# Altium PCB USB3-PCIEv21.PcbDoc (part 2 of 2)
Units mm, origin at the board's own origin, x right, y up, seen from the top; angles counter-clockwise.
Board outline 83.05 x 33 mm, 6 copper layers (Top Layer, Int Plane 1, Int Layer 1, Int Layer 2, Int Plane 2, Bottom Layer), stack 1.15 mm thick; 130 components, 93 nets, 474 pads, 279 vias.
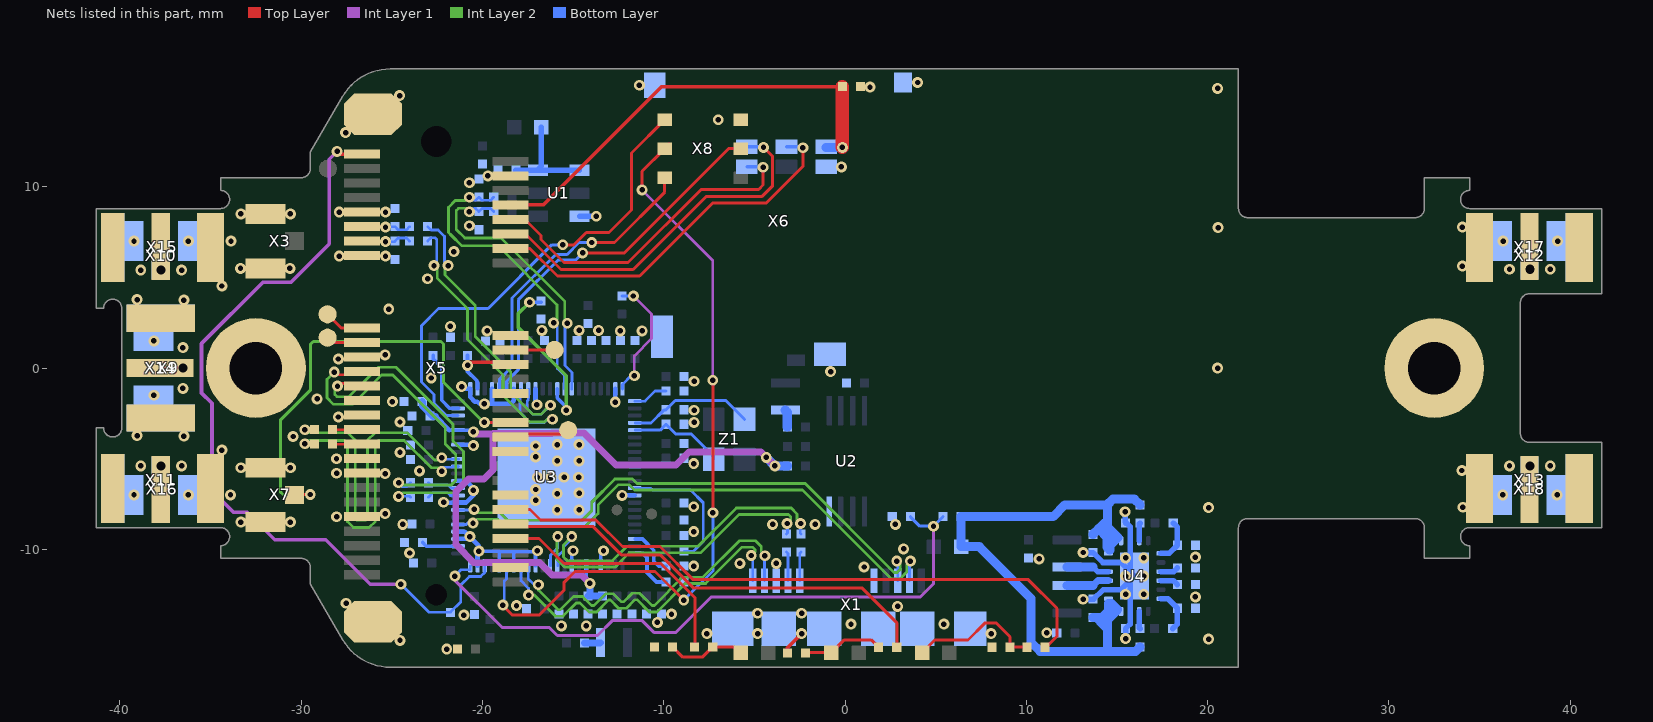
[diagram p6: the nets of this part, all layers, seen from the top]

## Via types
v1: diameter 0.6, hole 0.3, Top Layer to Bottom Layer, tented both sides, 240 vias
v2: diameter 0.601, hole 0.3, Top Layer to Bottom Layer, tented bottom, 16 vias
v3: diameter 0.6, hole 0.3, Top Layer to Bottom Layer, tented bottom, 16 vias
v4: diameter 0.8, hole 0.5, Top Layer to Bottom Layer, tented both sides, 7 vias

## Nets (pads, with @x,y where several pads share a name; then routed paths per layer and width w, separated by ;. In a path a pad name is that pad's centre, name@x,y a point inside that pad or via, vN(x,y) a via of type N, cw(c..) or ccw(c..) an arc to the next point about the centre after c; other vN are vias at no path point) (continued)
GND: C1.1 C4.1 C9.2 C10.1 C11.1 C12.1 C13.1 C14.2 C15.1 C16.2 C17.2 C18.2 C19.1 C20.1 C21.2 C22.2 C23.1 C24.2 C25.1 C26.1 C27.2 C28.2 C29.2 C30.1 C31.1 C32.1 C33.2 C34.1 C35.2 C36.2 C37.1 C38.1 C39.2 C40.1 C41.1 C42.1 C43.2 C44.1 C45.1 C46.1 C47.1 C48.1 C49.1 C50.1 C51.1 C52.2 pad.0 R2.2 R3.2 R7.1 R11.2 R12.2 R16.2 R17.2 R19.2 R20.2 R21.2 R23.2 R25.1 R34.2 R38.1 R39.2 R40.2 R41.2 U1.3 U2.4 U3.0 U3.3 U3.4 U3.8 U3.11 U3.16 U3.23 U3.26 U3.29 U3.32 U3.43 U3.58 U3.70 U3.74 U3.79 U3.82 U3.84 U3.87 U4.0 U4.2 U4.5 U4.8 U4.19 X1.0 X1.5 X1.8 X3.2 X5.0 X5.4 X5.9 X5.15 X5.18 X5.21 X5.26 X5.27 X5.29 X5.34 X5.35 X5.37 X5.40 X5.43 X5.50 X6.0 X6.5 X7.2 X8.6 X9.2 X10.2 X11.2 X12.2 X13.2 X14.2 X15.2 X16.2 X17.2 X18.2 | length 38
  Top Layer w0.203: R40.2@-3.175,-15.725 -3.175,-15.425 v1(-2.4,-14.65)
  Bottom Layer w0.203: v1(-20.201,-10.1) -19.1,-10.1 -19.075,-10.125 ; U3.84@-19.075,-10.9 -19.075,-10.125 ; U3.82@-18.275,-10.9 -18.275,-10.125 ; U3.79@-17.075,-10.9 -17.075,-10.225 v1@-16.975,-10.125 ; v1(-16.976,-10.075) v1@-16.976,-10.124 ; U3.74@-15.075,-10.9 -15.075,-10.15 v1(-15,-10.075) ; U3.70@-13.475,-10.9 -13.475,-10.225 v1(-13.325,-10.075) ; -19.075,-10.125 -18.275,-10.125 ; -18.275,-10.125 v1@-16.975,-10.125
  Bottom Layer w0.254: v1(-22.15,-7.4) -22.125,-7.425 U3.8@-21.35,-7.425 -21.342,-7.417 -20.894,-7.417 -20.5,-7.023 v1(-20.5,-6.75) -20.5,-6.627 -20.91,-6.217 -21.342,-6.217 U3.11@-21.35,-6.225 ; U3.3@-21.35,-9.425 -20.825,-9.425 v1(-20.7,-9.3) ; U3.4@-21.35,-9.025 -20.975,-9.025 v1(-20.7,-9.3) ; U3.16@-21.35,-4.225 -20.55,-4.225 v1(-20.5,-4.275) ; v1(-21.15,-1.025) -21.025,-1.15 U3.23@-20.675,-1.15 -20.675,-1.598 -20.425,-1.848 -20.286,-1.848 -20.159,-1.975 v1(-19.9,-1.975) -19.45,-1.975 ; U3.87@-20.275,-10.9 -20.275,-10.175 v1(-20.201,-10.1) -20.201,-9.799 v1(-20.7,-9.3) ; U3.26@-19.475,-1.15 -19.475,-1.95 -19.45,-1.975 ; U3.29@-18.275,-1.15 -18.283,-1.158 -18.283,-1.794 -18.464,-1.975 -19.45,-1.975 ; U3.32@-17.075,-1.15 -17.075,-1.951 v1(-17,-2.026) ; v1(-12.675,-1.875) U3.43@-12.675,-1.15 ; v1(-12.3,-7.025) U3.58@-11.6,-7.025
  Bottom Layer w0.3: U1.3@-14.65,8.38 -13.805,8.38 v1@-13.8,8.375
  Bottom Layer w0.305: v1(13.125,-12.75) C15.1@13.675,-12.75 13.712,-12.75 14.231,-12.23 14.231,-12.225 U4.2@14.525,-12.225 15.225,-12.225 U4.0@15.725,-11.725 ; v1(13.125,-10.175) C47.1@13.675,-10.175 14.225,-10.725 U4.5@14.525,-10.725 15.225,-10.725 U4.0@15.725,-11.225 ; v1(15.45,-7.925) 15.45,-8.477 C41.1@15.523,-8.55 ; v1(15.475,-14.925) C13.1@15.475,-14.375 15.723,-14.127 15.723,-13.427 U4.19@15.725,-13.425 U4.0@15.725,-11.725 ; C41.1@15.475,-8.55 C41.1@15.523,-8.55 ; C41.1@15.523,-8.55 15.723,-8.75 15.723,-9.523 U4.8@15.725,-9.525 U4.0@15.725,-11.225 ; U4.0@15.725,-11.725 U4.0@15.975,-11.475 U4.0@15.725,-11.225
  other v1: -21.975,-15.5 -24.55,-15.025 20.05,-14.95 -7.625,-14.65 -4.825,-14.65 8.05,-14.65 11.125,-14.6 -15.65,-14.225 -14.275,-14.221 0.325,-14.125 5.45,-14.125 -10.35,-14.025 -21.025,-13.625 -9.575,-13.575 -4.825,-13.525 -2.4,-13.525 2.9,-13.15 -18.126,-13.101 -27.525,-12.975 19.325,-12.625 1.05,-10.975 -8.35,-10.925 -5.8,-10.775 -3.8,-10.775 10.7,-10.525 19.325,-10.425 -24.025,-10.2 3.225,-9.975 -8.35,-9.025 -24.4,-8.623 -4,-8.625 -1.65,-8.625 2.775,-8.625 -33.325,-8.5 -30.6,-8.5 -28.05,-8.2 -25.375,-8.025 20.05,-7.7 34.075,-7.675 -8.35,-7.65 -33.9,-7 -25.375,-5.825 -28.05,-5.8 -23.475,-5.675 34.025,-5.65 -33.325,-5.5 -30.6,-5.5 -38.85,-5.4 -36.6,-5.4 36.65,-5.4 38.9,-5.4 -8.35,-5.275 -28.054,-5 -24.55,-4.65 -34.375,-4.525 -30.45,-3.775 -36.475,-3.75 -39.05,-3.725 -8.325,-3 -24.55,-2.975 -27.95,-2.7 -8.325,-2.325 -24.975,-1.848 -29.125,-1.7 -36.525,-1.125 -8.325,-0.725 -22.825,-0.55 -0.8,-0.2 20.55,0 -27.95,0.5 -25.375,0.725 -36.525,1.125 -19.75,2.05 -12.4,2.05 -11.2,2.05 -16.725,2.075 -14.675,2.075 -13.6,2.075 -21.775,2.3 -25.175,3.25 -36.475,3.75 -39.05,3.775 -34.375,4.525 -23.025,4.925 -38.85,5.4 -36.6,5.4 36.65,5.45 38.9,5.45 -33.35,5.5 -30.625,5.5 34.05,5.625 -27.9,6.175 -25.35,6.175 -21.575,6.425 -33.875,7 20.575,7.75 34.05,7.775 -20.725,7.85 -13.725,8.375 -33.325,8.5 -30.6,8.5 -27.9,8.6 -25.35,8.6 -20.725,10.225 -19.7,10.6 -0.2,11.1 -27.55,12.992 -7,13.7 -24.575,15.025 20.55,15.425 1.375,15.5 -11.35,15.6 4,15.75
  other v2: -15.875,-7.825 -14.675,-7.825 -17.075,-7.3 -15.875,-6.925 -14.675,-6.9 -17.075,-6.7 -16.975,-6.025 -16.225,-6.025 -15.5,-6.025 -14.7,-6.025 -15.875,-5.125 -14.675,-5.125 -17.075,-4.9 -17.075,-4.3 -15.875,-4.225 -14.675,-4.225
  other v3: 15.475,-12.475 16.475,-12.475 15.475,-11.475 16.475,-11.475 15.475,-10.475 16.475,-10.475 -39.225,-7 -36.225,-7 36.275,-7 39.275,-7 -38.125,-1.5 -38.125,1.5 -39.225,7 -36.225,7 36.3,7 39.3,7
GPIO0-TCK: U3.28 X8.5 | length 21.2
  Top Layer w0.165: v1(-14.475,6.35) -12.175,6.35 -6.425,12.1 X8.5@-5.75,12.1 X8.5@-5.475,12.1
  Bottom Layer w0.165: U3.28@-18.675,-1.15 -18.675,-0.738 -18.025,-0.088 -18.025,3.761 -15.834,5.952 -14.873,5.952 v1(-14.475,6.35)
GPIO1-TDO: U3.20 X8.1 | length 26.2
  Top Layer w0.165: v1(-15.575,6.8) -14.956,6.8 -14.273,7.483 -13.017,7.483 -11.785,8.715 -11.785,11.865 X8.1@-9.95,13.7 ; X8.1@-9.7,13.7 X8.1@-9.675,13.7
  Bottom Layer w0.165: U3.20@-21.35,-2.625 -22,-2.625 -22.677,-1.948 -22.677,-1.457 -23.371,-0.763 -23.371,2.338 -22.424,3.285 -19.69,3.285 -16.175,6.8 v1(-15.575,6.8)
GPIO2-TDI: U3.83 X8.2 | length 42.7
  Top Layer w0.165: v1@-18.87,-13.115 -18.87,-13.11 -18.346,-13.633 -16.88,-13.633 -15.517,-12.271 -15.517,-11.839 -14.896,-11.217 -10.483,-11.217 v1(-8.9,-12.8) ; v1(-11.2,9.825) -11.2,10.85 X8.2@-9.95,12.1 -9.7,12.35 -9.7,12.1 X8.2@-9.675,12.1 ; v1(-7.3,-0.675) -7.292,-0.683 v1(-7.292,-7.982)
  Int Layer 1 w0.152: v1(-11.2,9.825) -7.3,5.925 v1(-7.3,-0.675)
  Bottom Layer w0.152: v1(-18.876,-13.076) -18.8,-13 -18.8,-11.75 -18.675,-11.625 U3.83@-18.675,-10.9
  Bottom Layer w0.165: v1(-8.9,-12.8) -7.292,-11.192 v1(-7.292,-7.982)
GPIO3-TMS: U3.27 X8.3 | length 16.9
  Top Layer w0.165: v1(-13.975,6.925) -12.725,6.925 -9.95,9.7 X8.3@-9.95,10.5
  Bottom Layer w0.165: U3.27@-19.075,-1.15 -19.075,-0.638 -18.367,0.069 -18.367,3.864 -15.964,6.267 -15.329,6.267 -14.672,6.925 v1(-13.975,6.925)
GPIO4: TP4.1 X5.20 | length 2.4
  Top Layer w0.165: X5.20@-18.45,1 TP4.1@-16.025,1
GPIO6: TP5.1 X5.32 | length 3.3
  Top Layer w0.165: X5.32@-18.45,-3.8 -18.275,-3.625 -15.475,-3.625 TP5.1@-15.275,-3.425
HSD_N: U3.5 X1.2 | length 30.1
  Int Layer 2 w0.152: v1(-20.525,-8.55) -20.313,-8.338 -19.19,-8.338 -18.882,-8.646 -18.778,-8.75 -14.352,-8.75 -13.619,-8.017 -13.619,-7.547 -12.503,-6.431 -11.922,-6.431 -11.622,-6.731 -2.347,-6.731 2.553,-11.63 3.02,-11.63 3.403,-11.247 v1@3.403,-10.847
  Bottom Layer w0.152: U3.5@-21.35,-8.625 -20.899,-8.625 -20.824,-8.55 v1(-20.525,-8.55) ; X1.2@3.55,-11.725 3.55,-10.7 v1(3.6,-10.65)
HSD_P: U3.7 X1.3 | length 29.5
  Int Layer 2 w0.152: v1(-20.461,-7.8) -20.461,-7.864 -20.343,-7.982 -19.043,-7.982 -18.631,-8.394 -14.5,-8.394 -13.975,-7.87 -13.975,-7.4 -12.7,-6.125 -11.725,-6.125 -11.475,-6.375 -2.2,-6.375 2.7,-11.275 2.873,-11.275 3.047,-11.1 v1@3.047,-10.847
  Bottom Layer w0.152: U3.7@-21.35,-7.825 -20.55,-7.825 -20.525,-7.8 v1(-20.461,-7.8) ; v1(2.85,-10.65) 2.9,-10.7 X1.3@2.9,-11.725
LED_WLAN#: R9.2 X5.44 | length 24.9
  Top Layer w0.165: X5.44@-18.45,-8.6 -18.32,-8.73 -13.917,-8.73 -12.347,-10.3 -10.201,-10.3 -8.376,-12.125 0.925,-12.125 2.85,-14.05 R9.2@2.85,-15.4
LED_WPAN#: R10.2 X5.46 | length 14.2
  Top Layer w0.165: X5.46@-18.45,-9.4 -16.889,-9.4 -15.514,-10.775 -10.172,-10.775 -8.268,-12.679 -8.268,-15.343 R10.2@-8.3,-15.375
LED_WWAN#: R8.2 X5.42 | length 34.8
  Top Layer w0.165: X5.42@-18.45,-7.8 -17.378,-7.8 -16.801,-8.377 -13.747,-8.377 -12.278,-9.846 -10.21,-9.846 -8.406,-11.65 10.078,-11.65 11.683,-13.254 11.683,-14.796 11.078,-15.4 R8.2@11.025,-15.4
LEGACY: R19.1 U3.66 | length 2.8
  Bottom Layer w0.203: U3.66@-11.575,-10.225 -11.15,-10.225 -10.925,-10.45 -10.925,-11.275 -10.4,-11.8 R19.1@-9.875,-11.8
MHZ_IN: TP3.1 X5.19 | length 2
  Top Layer w0.165: TP3.1@-28.55,1.675 -28.275,1.4 X5.19@-26.65,1.4
MHZ_OUT: X5.30 X7.1 | length 25.6
  Top Layer w0.165: X7.1@-30.375,-7 -30.075,-7 -30.05,-6.975 v1(-29.5,-6.975) ; v1(-19.9,-3) X5.30@-18.45,-3
  Int Layer 2 w0.165: v1(-29.5,-6.975) -31,-6.975 -31.15,-6.825 -31.15,-2.875 -29.5,-1.225 -29.5,1.303 -29.333,1.47 -22.295,1.47 -22.15,1.325 -22.15,-0.778 -19.928,-3 v1(-19.9,-3)
NetC4_2: C4.2 L1.1 U1.1 U1.6 | length 6
  Bottom Layer w0.3: C4.2@-18.175,10.9 -18.155,10.92 U1.6@-16.95,10.92 ; U1.6@-16.975,10.925 -16.75,11.15 L1.1@-16.75,13.275 ; U1.6@-16.925,10.925 -16.92,10.92 U1.1@-14.65,10.92
NetC20_2: C20.2 U4.14 | length 1
  Bottom Layer w0.305: U4.14@17.425,-11.725 18.1,-11.725 C20.2@18.325,-11.95
NetC45_2: C45.2 U4.13 | length 1
  Bottom Layer w0.305: U4.13@17.425,-11.225 18.125,-11.225 C45.2@18.325,-11.025
NetL3_2: L3.2 U4.3 | length 2.4
  Bottom Layer w0.381: 13.675,-12 13.95,-11.725 U4.3@14.525,-11.725
  Bottom Layer w0.508: L3.2@12.25,-12 13.45,-12 13.675,-12
NetL4_1: L4.1 R30.1 | length 1
  Bottom Layer w0.508: L4.1@-3.3,-2.325 -3.187,-2.438 R30.1@-3.187,-3.246
NetL5_1: L5.1 R32.1 | length 0.9
  Bottom Layer w0.381: R32.1@-14.375,-15.175 -13.525,-15.175 L5.1@-13.5,-15.15
NetL6_1: L6.1 U4.4 | length 2.4
  Bottom Layer w0.305: 13.675,-10.975 13.925,-11.225 U4.4@14.525,-11.225
  Bottom Layer w0.508: L6.1@12.25,-10.975 13.675,-10.975
NetLED1_1: LED1.1 R8.1 R41.1 | length 7.3
  Top Layer w0.165: LED1.1@4.25,-15.7 4.95,-15 6.775,-15 7.7,-14.075 8.35,-14.075 9.1,-14.825 R41.1@9.1,-15.4 R8.1@10.025,-15.4
NetLED2_1: LED2.1 R9.1 R40.1 | length 4.5
  Top Layer w0.165: R40.1@-2.175,-15.725 -2.15,-15.7 LED2.1@-0.75,-15.7 -0.04,-14.99 1.44,-14.99 R9.1@1.85,-15.4
NetLED3_1: LED3.1 R10.1 R39.1 | length 4.4
  Top Layer w0.165: R39.1@-9.525,-15.375 -8.95,-15.95 -7.875,-15.95 R10.1@-7.3,-15.375 -6.15,-15.375 LED3.1@-5.787,-15.737
NetR33_1: R33.1 R34.1 U4.16 | length 2.3
  Bottom Layer w0.305: U4.16@17.425,-12.725 17.8,-12.725 R34.1@18.325,-13.25 18.325,-14.125 R33.1@18.075,-14.375
NetR35_1: R35.1 U4.18 | length 1
  Bottom Layer w0.305: U4.18@16.225,-13.425 16.225,-14.325 R35.1@16.275,-14.375
NetR36_2: R36.2 U4.9 | length 1
  Bottom Layer w0.305: U4.9@16.225,-9.525 16.225,-8.6 R36.2@16.275,-8.55
NetR37_2: R37.2 R38.2 U4.11 | length 2.4
  Bottom Layer w0.305: U4.11@17.425,-10.225 17.875,-10.225 R38.2@18.325,-9.775 18.325,-8.775 R37.2@18.1,-8.55
NetX9_1: X9.1 X14.1
  other v4: -36.525,0
NetX10_1: X10.1 X15.1
  other v4: -37.725,5.4
NetX11_1: X11.1 X16.1
  other v4: -37.725,-5.4
NetX12_1: X12.1 X17.1
  other v4: 37.775,5.45
NetX13_1: X13.1 X18.1
  other v4: 37.775,-5.4
PCI_R0_N: C5.1 X5.23 | length 19.1
  Top Layer w0.15: v1(-28.176,-0.225) -28.026,-0.375 -26.825,-0.375 X5.23@-26.65,-0.2
  Int Layer 2 w0.15: v1(-28.176,-0.225) -28.575,-0.624 -28.575,-1.638 -28.213,-2 -27.183,-2 -25.562,-0.379 -24.952,-0.379 -22.058,-3.273 -22.058,-4.191 -21.475,-4.773 -21.475,-6.2 -21.726,-6.451 -24.57,-6.451 -24.625,-6.396 v1(-24.625,-6.325)
  Bottom Layer w0.15: v1(-24.625,-6.325) -24.625,-6.333 -24.408,-6.55 -24.2,-6.55 C5.1@-23.975,-6.325
PCI_R0_P: C6.1 X5.25 | length 18.7
  Top Layer w0.15: v1(-28,-1) -28,-0.975 -27.875,-0.85 -27.575,-0.85 -27.425,-1 X5.25@-26.65,-1
  Int Layer 2 w0.15: v1(-28,-1) -28.151,-1 -28.151,-1.462 -28.037,-1.576 -27.359,-1.576 -25.738,0.046 -24.777,0.046 -21.633,-3.098 -21.633,-4.015 -21.051,-4.598 -21.051,-6.376 -21.55,-6.875 -24.425,-6.875 v1(-24.625,-7.075)
  Bottom Layer w0.15: v1(-24.625,-7.075) -24.025,-7.075 C6.1@-23.975,-7.125
PCI_RX0_N: C5.2 U3.10 | length 1.7
  Bottom Layer w0.15: C5.2@-22.975,-6.325 -22.85,-6.45 -21.9,-6.45 -21.725,-6.625 U3.10@-21.35,-6.625
PCI_RX0_P: C6.2 U3.9 | length 1.8
  Bottom Layer w0.15: C6.2@-22.975,-7.125 -22.725,-6.875 -21.926,-6.875 -21.776,-7.025 U3.9@-21.35,-7.025
PCI_T0_N: C7.1 X5.31 | length 1.6
  Top Layer w0.15: C7.1@-28.275,-3.4 X5.31@-26.65,-3.4
PCI_T0_P: C8.1 X5.33 | length 1.6
  Top Layer w0.15: C8.1@-28.275,-4.2 X5.33@-26.65,-4.2
PCI_TX0_N: C7.2 U3.14 | length 18.8
  Top Layer w0.15: v1(-29.8,-3.4) C7.2@-29.275,-3.4
  Int Layer 2 w0.15: v1(-29.8,-3.4) -29.625,-3.575 -27.425,-3.575 -27.026,-3.974 -27.026,-8.299 -26.949,-8.376 -26.433,-8.376 -26.339,-8.281 -26.339,-3.975 -25.94,-3.576 -24.148,-3.576 -22.649,-5.075 -22.375,-5.075 v1(-22.25,-4.95)
  Bottom Layer w0.15: v1(-22.25,-4.95) -22.175,-5.025 U3.14@-21.35,-5.025 U3.14@-21.325,-5.025
PCI_TX0_P: C8.2 U3.13 | length 19.5
  Top Layer w0.15: v1(-29.8,-4.175) C8.2@-29.275,-4.175 ; v1@-29.775,-4.2 C8.2@-29.275,-4.2
  Int Layer 2 w0.15: v1(-29.8,-4.175) -29.625,-4 -27.6,-4 -27.45,-4.15 -27.45,-8.475 -27.125,-8.8 -26.258,-8.8 -25.915,-8.457 -25.915,-4.15 -25.764,-4 -24.324,-4 -22.824,-5.5 -22.45,-5.5 v1(-22.25,-5.7)
  Bottom Layer w0.15: v1@-22.3,-5.65 -22.125,-5.475 -21.7,-5.475 -21.65,-5.425 U3.13@-21.35,-5.425 U3.13@-21.325,-5.425
PCIE_CLK_N: R2.1 R27.1 X5.11 | length 2.8
  Top Layer w0.15: X5.11@-26.625,7.8 -25.4,7.8 v1@-25.375,7.775
  Bottom Layer w0.15: v1@-25.375,7.775 -25.35,7.8 R2.1@-24.825,7.8 -24.65,7.625 -24.2,7.625 R27.1@-24.025,7.8
  other v1: -25.35,7.775
PCIE_CLK_P: R3.1 R26.1 X5.13 | length 2.8
  Top Layer w0.15: X5.13@-26.625,7 v1@-25.325,7
  Bottom Layer w0.15: v1@-25.375,6.975 v1(-25.35,6.975) -24.85,6.975 R3.1@-24.825,7 -24.65,7.175 -24.2,7.175 R26.1@-24.025,7
PERST#: R13.1 U3.24 X5.22 | length 4.9
  Top Layer w0.2: v1(-20.825,0.15) -20.65,0.325 -18.575,0.325 X5.22@-18.45,0.2 X5.22@-18.425,0.2
  Bottom Layer w0.2: v1(-20.825,0.15) v1@-20.825,-0.15 ; R13.1@-20.825,0.7 -20.825,-0.15 ; U3.24@-20.275,-1.15 -20.275,-0.774 -20.31,-0.739 -20.31,-0.705 -20.825,-0.19 -20.825,-0.15
PEX_CLK_IN_N: R5.1 R12.1 U3.37 | length 15.9
  Int Layer 2 w0.15: v1(-20.725,8.625) -20.912,8.812 -21.329,8.812 -21.45,8.692 -21.45,7.65 -20.975,7.175 -18.975,7.175 -15.462,3.662 -15.462,2.612 v1(-15.325,2.475)
  Bottom Layer w0.15: -20.475,8.804 -20.379,8.804 R12.1@-20.204,8.629 -20.029,8.804 -19.554,8.804 R5.1@-19.379,8.629 ; v1(-15.325,2.475) -15.45,2.35 -15.45,0.147 -15.063,-0.24 -15.063,-0.7 -15.075,-0.7 U3.37@-15.075,-1.15
PEX_CLK_IN_P: R4.1 R11.1 U3.36 | length 16.7
  Int Layer 2 w0.15: -21.725,7.324 -21.151,6.75 -19.15,6.75 -15.886,3.486 -15.886,2.682 v1(-16.075,2.494) ; -21.725,7.325 -21.874,7.474 -21.874,8.867 -21.505,9.237 -21.302,9.237 ; -21.301,9.237 -20.912,9.237 v1(-20.725,9.425)
  Bottom Layer w0.15: -20.475,9.254 -20.379,9.254 R11.1@-20.204,9.429 -20.029,9.254 -19.554,9.254 R4.1@-19.379,9.429 ; v1(-16.075,2.494) -15.874,2.293 -15.874,-0.029 -15.487,-0.416 -15.487,-0.7 -15.475,-0.7 U3.36@-15.475,-1.15
PEX_CLK_OUT_N: R27.2 U3.31 | length 17
  Int Layer 2 w0.15: v1(-21.9,5.65) -22.075,5.475 -22.075,5.136 -20.401,3.461 -20.401,1.751 -18.445,-0.205 -18.445,-1.33 -17.221,-2.554 -16.779,-2.554 -16.275,-2.05 v1(-16.25,-2.05)
  Bottom Layer w0.15: R27.2@-23.025,7.8 -22.837,7.612 -22.449,7.612 -22.101,7.264 -22.101,5.851 v1(-21.9,5.65) ; U3.31@-17.45,-1.175 -17.45,-1.633 -17.476,-1.658 -17.476,-1.759 -17.525,-1.809 -17.525,-2.25 -17.221,-2.554 -16.779,-2.554 -16.525,-2.3 -16.5,-2.3 v1(-16.25,-2.05)
PEX_CLK_OUT_P: R26.2 U3.30 | length 17.7
  Int Layer 2 w0.15: v1(-22.675,5.65) -22.5,5.475 -22.5,4.96 -20.825,3.285 -20.825,1.575 -18.869,-0.381 -18.869,-1.506 -17.397,-2.978 -16.578,-2.978 -16.425,-2.825 v1(-16.15,-2.825)
  Bottom Layer w0.15: R26.2@-23.025,7 -22.837,7.188 -22.625,7.188 -22.525,7.088 -22.525,5.8 v1(-22.675,5.65) ; U3.30@-17.9,-1.175 -17.9,-1.584 -17.931,-1.615 -17.931,-1.948 -17.938,-1.954 -17.938,-2.437 -17.371,-3.004 -16.604,-3.004 -16.578,-2.978 -16.567,-2.978 -16.339,-2.75 -16.225,-2.75 v1(-16.15,-2.825)
PEX_WAKE#: R22.1 U3.86 X5.1 | length 44
  Top Layer w0.203: v1@-28,11.925 -27.875,11.8 X5.1@-26.65,11.8 X5.1@-26.625,11.8
  Int Layer 1 w0.203: v1(-28.025,11.95) -28.452,11.523 -28.452,6.848 -30.575,4.725 -32.125,4.725 -35.502,1.348 -35.502,-1.371 -34.925,-1.948 -34.925,-4.295 -34.927,-4.297 -34.927,-4.753 -34.925,-4.755 -34.925,-6.755 -33.732,-7.948 -32.99,-7.948 -31.467,-9.471 -28.652,-9.471 -26.198,-11.925 v1(-24.504,-11.925)
  Bottom Layer w0.15: v1(-24.504,-11.925) -22.966,-13.463 -21.775,-13.463 -21.763,-13.463 -21.2,-12.9 -21.2,-11.975 -20.725,-11.5 -20.1,-11.5 -19.875,-11.275 U3.86@-19.875,-10.9
PWRONRST#: R14.1 U3.21 | length 3.8
  Bottom Layer w0.2: R14.1@-22.725,0.7 -22.725,0.5 -22.25,0.025 -22.25,-1.775 -21.8,-2.225 U3.21@-21.35,-2.225 U3.21@-21.325,-2.225
RC_MODE: R18.1 U3.57 | length 7.5
  Bottom Layer w0.152: U3.57@-11.575,-6.625 -10.725,-6.625 -10.623,-6.726 -8.53,-6.726 -7.824,-7.432 -7.824,-9.574 -8.35,-10.1 R18.1@-8.875,-10.1
RREF: R25.2 U3.35 | length 9.3
  Int Layer 2 w0.203: v1(-17.4,3.633) -18.027,3.006 -18.027,2.232 -15.375,-0.42 v1(-15.375,-2.325)
  Bottom Layer w0.203: v1(-17.4,3.633) -17.392,3.625 R25.2@-16.775,3.625 ; U3.35@-15.875,-1.15 -15.875,-1.645 -15.375,-2.145 v1(-15.375,-2.325)
SSC_CNT#: R20.1 U3.64 | length 2.7
  Bottom Layer w0.203: U3.64@-11.575,-9.425 -11.175,-9.425 -11.152,-9.448 -11.152,-9.453 -10.55,-10.055 -10.55,-10.65 -10.275,-10.925 R20.1@-9.875,-10.925
SSRX_N: U3.80 X1.9 | length 19.2
  Int Layer 2 w0.152: v1(-16.92,-11.95) -16.92,-12.251 -15.842,-13.329 -15.707,-13.329 -14.978,-12.6 -14.475,-12.6 -13.981,-13.094 -13.847,-13.094 -13.197,-12.444 -12.793,-12.444 -12.343,-12.894 -12.214,-12.894 -11.739,-12.419 -11.331,-12.419 -10.656,-13.094 -10.522,-13.094 -8.962,-11.534 -7.837,-11.534 -5.826,-9.523 -4.952,-9.523 -4.622,-9.853 v1@-4.622,-10.153
  Bottom Layer w0.152: U3.80@-17.475,-10.9 -17.475,-11.625 -17.15,-11.95 v1(-16.92,-11.95) ; X1.9@-4.45,-11.725 -4.45,-10.375 v1(-4.425,-10.35)
SSRX_P: U3.81 X1.10 | length 19.6
  Int Layer 2 w0.152: v1(-17.454,-12.525) -17.149,-12.525 -16.643,-13.031 -15.989,-13.685 -15.56,-13.685 -14.831,-12.956 -14.622,-12.956 -14.128,-13.45 -13.7,-13.45 -13.05,-12.8 -12.94,-12.8 -12.49,-13.25 -12.067,-13.25 -11.592,-12.775 -11.478,-12.775 -10.803,-13.45 -10.375,-13.45 -8.815,-11.89 -7.69,-11.89 -5.679,-9.879 -5.099,-9.879 -4.975,-10.003 -4.975,-10.139 v1(-5.175,-10.339)
  Bottom Layer w0.152: U3.81@-17.875,-10.9 -17.875,-11.728 -17.454,-12.149 v1(-17.454,-12.525) ; v1(-5.175,-10.339) -5.175,-10.35 -5.1,-10.425 X1.10@-5.1,-11.725
SST_N: C2.2 X1.6 | length 1.6
  Bottom Layer w0.152: X1.6@-2.5,-11.725 -2.5,-10.225 C2.2@-2.425,-10.15
SST_P: C3.2 X1.7 | length 1.6
  Bottom Layer w0.152: C3.2@-3.225,-10.15 -3.15,-10.225 X1.7@-3.15,-11.725
SSTX_N: C2.1 U3.76 | length 18.8
  Int Layer 2 w0.152: v1(-15.076,-9.3) -15.531,-9.755 -15.531,-10.419 -15.325,-10.625 -12.828,-10.625 -12.032,-9.829 -8.104,-9.829 -6,-7.725 -2.972,-7.725 -2.647,-8.05 -2.647,-8.403 -2.45,-8.6 v1(-2.45,-8.575)
  Bottom Layer w0.152: U3.76@-15.85,-10.9 -15.85,-10.377 -15.531,-10.057 -15.531,-9.856 -15.076,-9.401 v1(-15.076,-9.3) ; v1(-2.45,-8.575) -2.472,-8.575 -2.472,-9.103 C2.1@-2.425,-9.15
SSTX_P: C3.1 U3.77 | length 18.5
  Int Layer 2 w0.152: v1(-15.85,-9.3) -15.886,-9.336 -15.886,-10.567 -15.472,-10.981 -12.681,-10.981 -11.885,-10.185 -7.957,-10.185 -5.853,-8.081 -3.119,-8.081 -3.003,-8.197 -3.003,-8.403 -3.2,-8.6 v1(-3.2,-8.575)
  Bottom Layer w0.152: U3.77@-16.25,-10.9 -16.25,-10.325 -15.85,-9.925 v1(-15.85,-9.3) ; C3.1@-3.225,-9.15 -3.178,-9.103 -3.178,-8.575 v1(-3.2,-8.575)
TESTMODE0: R15.1 U3.44 | length 6.9
  Int Layer 1 w0.152: v1(-11.675,3.975) -10.674,2.974 -10.674,1.626 -11.626,0.674 v1(-11.626,-0.425)
  Bottom Layer w0.152: R15.1@-12.3,3.975 v1(-11.675,3.975) ; U3.44@-12.275,-1.15 -12.275,-0.9 -11.8,-0.425 v1(-11.626,-0.425)
TESTMODE1: R16.1 U3.45 | length 2
  Bottom Layer w0.152: U3.45@-11.6,-1.825 -11.044,-1.825 -10.49,-1.271 R16.1@-9.875,-1.271
TX_EN: TP2.1 X5.17 | length 2.2
  Top Layer w0.165: TP2.1@-28.55,2.967 -27.783,2.2 X5.17@-26.65,2.2
UIM_CLK: X5.12 X6.3 | length 20.4
  Top Layer w0.165: X5.12@-18.425,7.4 -18.335,7.31 -17.552,7.31 -15.676,5.434 -11.69,5.434 -7.65,9.474 -4.571,9.474 -3.992,10.052 -3.992,11.667 v1(-4.5,12.175)
  Bottom Layer w0.203: X6.3@-5.395,12.2 -4.525,12.2 v1(-4.5,12.175)
UIM_DIO: X5.10 X6.7 | length 18.6
  Top Layer w0.165: X5.10@-18.425,8.2 -17.658,8.2 -16.775,7.317 -16.775,7.094 -15.499,5.817 -11.979,5.817 -7.941,9.855 -4.77,9.855 -4.525,10.1 v1(-4.525,11.075)
  Bottom Layer w0.203: X6.7@-5.395,11.1 v1@-4.525,11.1
UIM_RST: X5.14 X6.2 | length 21.2
  Top Layer w0.165: X5.14@-18.425,6.6 -17.391,6.6 -15.866,5.075 -11.332,5.075 -7.303,9.104 -4.347,9.104 -2.325,11.126 v1(-2.325,12.15)
  Bottom Layer w0.203: X6.2@-3.205,12.2 -2.375,12.2 v1(-2.325,12.15)
UIM_VCC: C9.1 X5.8 X6.1 | length 25.3
  Top Layer w0.203: X5.8@-18.425,9 -16.645,9 -10.12,15.525 C9.1@-0.15,15.525 C9.1@-0.1,15.525 ; v1(-0.15,12.175) v1@-0.125,12.15
  Top Layer w0.75: v1(-0.15,12.175) C9.1@-0.15,15.525
  Bottom Layer w0.5: X6.1@-1.05,12.175 v1(-0.15,12.175)
URREF: R23.1 U3.2 | length 2
  Bottom Layer w0.203: R23.1@-23.3,-9.625 -23.1,-9.825 U3.2@-21.35,-9.825
VAUX+1.0V: C17.1 C21.1 C26.2 C34.2 R28.1 U3.18 U3.72 | length 41.4
  Int Layer 1 w0.381: v1(-20.5,-3.525) -20.39,-3.635 -20.235,-3.635 -20.229,-3.64 -19.453,-3.64 -19.428,-3.616 ; v1(-14.075,-11.875) -14.541,-11.409 -16.165,-11.409 -16.859,-10.716 -19.86,-10.716 -19.885,-10.741 -20.466,-10.741 -21.475,-9.732 -21.475,-6.819 -20.765,-6.11 -19.91,-6.11 -19.428,-5.628 -19.428,-3.616 ; v1(-3.875,-5.4) v1(-4.35,-4.925) -4.641,-4.635 -8.615,-4.635 -9.321,-5.34 -12.646,-5.34 -14.403,-3.584 -16.141,-3.584 -16.172,-3.616 -19.428,-3.616
  Bottom Layer w0.2: U3.18@-21.35,-3.425 U3.18@-21.325,-3.425
  Bottom Layer w0.203: -21.825,-3.425 U3.18@-21.35,-3.425 ; U3.18@-21.325,-3.425 -20.6,-3.425 v1(-20.5,-3.525) ; U3.72@-14.275,-10.9 -14.275,-11.675 v1(-14.075,-11.875)
  Bottom Layer w0.254: -22.584,-2.666 -21.825,-3.425
  Bottom Layer w0.381: C26.2@-23.325,-1.85 -23.309,-1.865 -23.309,-2.091 -22.734,-2.666 -22.584,-2.666 ; v1(-14.075,-11.875) -14.075,-12.475 C34.2@-14.175,-12.575 C21.1@-13.375,-12.575
  Bottom Layer w0.508: v1(-4.35,-4.925) -3.875,-5.4 R28.1@-3.175,-5.4
VBUS_3V: R6.1 R7.2 U3.88 | length 36.2
  Int Layer 1 w0.165: v1(-21.525,-11.475) -21.525,-11.703 -18.928,-14.3 -16.328,-14.3 -15.871,-14.758 -13.658,-14.758 -12.817,-13.917 -11.211,-13.917 -10.553,-14.575 -9.322,-14.575 -7.364,-12.617 4.158,-12.617 4.875,-11.9 v1(4.875,-8.725)
  Bottom Layer w0.15: v1(-21.525,-11.475) -21.175,-11.125 -20.7,-11.125 -20.675,-11.1 -20.675,-10.925 U3.88@-20.65,-10.9
  Bottom Layer w0.165: R7.2@3.6,-8.2 4.125,-8.725 v1(4.875,-8.725) R6.1@5.4,-8.2
VCC+5V: C13.2 C15.2 C41.2 C47.2 L2.2 R6.2 R35.2 R36.1 U4.1 U4.6 U4.7 U4.20 | length 37.5
  Bottom Layer w0.5: C15.2@13.675,-13.75 C15.2@13.85,-13.75 ; C47.2@13.675,-9.175 13.987,-8.862 ; R35.2@16.275,-15.375 16.025,-15.625 14.475,-15.625 ; R36.1@16.275,-7.55 15.95,-7.225 14.775,-7.225 14.475,-7.525 ; C15.2@13.85,-13.75 C13.2@14.25,-14.15 ; C15.2@13.85,-13.75 14.2,-13.75 14.525,-13.425 14.525,-12.985 14.685,-12.985 15.025,-13.325 14.475,-13.875 ; 13.987,-8.862 14.475,-9.35 14.475,-9.475 14.445,-9.505 14.445,-9.875 14.599,-10.029 14.599,-9.797 15.05,-9.346 C41.2@14.475,-8.771 ; 13.987,-8.862 14.079,-8.771 ; 14.079,-8.771 C41.2@14.475,-8.771 ; 14.079,-8.771 14.3,-8.55 C41.2@14.475,-8.55 ; C13.2@14.25,-14.15 14.25,-14.1 14.475,-13.875 ; C13.2@14.25,-14.15 C13.2@14.475,-14.375 ; 14.475,-15.625 10.758,-15.625 10.25,-15.117 10.25,-12.701 7.399,-9.85 L2.2@6.4,-9.85 R6.2@6.4,-8.2 11.475,-8.2 12.125,-7.55 14.45,-7.55 14.475,-7.525 ; 14.475,-15.625 C13.2@14.475,-14.375 ; C13.2@14.475,-14.375 14.475,-13.875 ; C41.2@14.475,-8.771 C41.2@14.475,-8.55 ; C41.2@14.475,-8.55 14.475,-7.525
XIN: C10.2 U3.48 Z1.1 | length 7
  Bottom Layer w0.165: U3.48@-11.575,-3.025 -10.7,-3.025 -9.975,-2.3 C10.2@-9.875,-2.3 -9.367,-1.792 -6.583,-1.792 Z1.1@-5.55,-2.825
XOUT: C11.2 U3.49 Z1.3 | length 5.3
  Bottom Layer w0.165: U3.49@-11.575,-3.425 -10.2,-3.425 C11.2@-9.875,-3.1 -9.35,-3.625 -8.5,-3.625 -7.25,-4.875 Z1.3@-7.25,-5.025
pads on no net: U1.2 U3.19 U3.46 U3.47 U3.56 U3.65 U3.68 U4.12 U4.15 X1.4 X5.6 X5.7 X5.16 X5.24 X5.28 X5.36 X5.38 X5.39 X5.41 X5.45 X5.47 X5.48 X5.49 X5.51 X5.MH0 X6.6 X6.8 X8.4 Z1.2 Z1.4

## Polygon pours and split planes (outlines as drawn)
GND on Top Layer "TopGND" (solid, remove dead copper, pour order 2): -36.175,11.175
GND on Top Layer "TopGND" (solid, remove dead copper, pour order 4): -41.3,8.8 -34.45,8.8 ccw(c-34.45,9.283) -34.109,8.941 -34.025,9.025 ccw(c-34.206,9.206) -33.95,9.206 -33.95,9.3 ccw(c-34.433,9.3) -34.091,9.641 -34.175,9.725 ccw(c-34.356,9.544) -34.356,9.8 -34.45,9.8 -34.45,10.5 -30.625,10.5 ccw(c-30.625,10.983) -30.284,10.641 -26.85,16.5 21.7,16.5 21.7,8.752 ccw(c22.127,8.752) 21.825,8.45 ccw(c22.187,8.812) 22.187,8.3 31.45,8.3 ccw(c31.45,8.8) 31.95,8.8 31.95,10.5 34.45,10.5 34.45,9.8 ccw(c34.45,9.3) 33.95,9.3 ccw(c34.45,9.3) 34.45,8.8 41.75,8.8 41.75,4.1 37.75,4.1 ccw(c37.75,3.6) 37.25,3.6 37.25,-3.6 ccw(c37.75,-3.6) 37.75,-4.1 41.75,-4.1 41.75,-8.8 34.475,-8.8 ccw(c34.475,-9.325) 33.95,-9.325 ccw(c34.425,-9.325) 34.425,-9.8 34.45,-9.8 34.45,-10.5 31.95,-10.5 31.95,-8.8 ccw(c31.45,-8.8) 31.45,-8.3 22.2,-8.3 ccw(c22.2,-8.8) 21.7,-8.8 21.7,-16.5 -26.85,-16.5 -30.2,-10.75 -30.326,-10.624 ccw(c-30.625,-10.922) -30.625,-10.5 -34.45,-10.5 -34.45,-9.8 ccw(c-34.45,-9.3) -33.95,-9.3 ccw(c-34.45,-9.3) -34.45,-8.8 -41.3,-8.8 -41.3,-3.3 -40.9,-3.3 ccw(c-40.4,-3.3) -40.4,-3.8 -40.375,-3.8 ccw(c-40.375,-3.325) -39.9,-3.325 -39.9,3.3 ccw(c-40.4,3.3) -40.4,3.8 -40.425,3.8 ccw(c-40.425,3.325) -40.9,3.325 -40.9,3.3 -41.3,3.3
GND on Bottom Layer "BotGND" (solid, remove dead copper, pour order 6): -41.3,8.854 -34.492,8.854 ccw(c-34.492,9.337) -34.151,8.995 -34.067,9.079 ccw(c-34.248,9.26) -33.992,9.26 -33.992,9.354 ccw(c-34.475,9.354) -34.134,9.695 -34.217,9.779 ccw(c-34.398,9.598) -34.398,9.854 -34.492,9.854 -34.492,10.554 -30.667,10.554 ccw(c-30.667,11.037) -30.326,10.695 -26.892,16.554 21.658,16.554 21.658,8.806 ccw(c22.084,8.806) 21.783,8.504 ccw(c22.145,8.866) 22.145,8.354 31.408,8.354 ccw(c31.408,8.854) 31.908,8.854 31.908,10.554 34.408,10.554 34.408,9.854 ccw(c34.408,9.354) 33.908,9.354 ccw(c34.408,9.354) 34.408,8.854 41.708,8.854 41.708,4.154 37.708,4.154 ccw(c37.708,3.654) 37.208,3.654 37.208,-3.546 ccw(c37.708,-3.546) 37.708,-4.046 41.708,-4.046 41.708,-8.746 34.433,-8.746 ccw(c34.433,-9.271) 33.908,-9.271 ccw(c34.383,-9.271) 34.383,-9.746 34.408,-9.746 34.408,-10.446 31.908,-10.446 31.908,-8.746 ccw(c31.408,-8.746) 31.408,-8.246 22.158,-8.246 ccw(c22.158,-8.746) 21.658,-8.746 21.658,-16.446 -26.892,-16.446 -30.242,-10.696 -30.369,-10.57 ccw(c-30.667,-10.868) -30.667,-10.446 -34.492,-10.446 -34.492,-9.746 ccw(c-34.492,-9.246) -33.992,-9.246 ccw(c-34.492,-9.246) -34.492,-8.746 -41.3,-8.746 -41.3,-3.246 -40.942,-3.246 ccw(c-40.442,-3.246) -40.442,-3.746 -40.417,-3.746 ccw(c-40.417,-3.271) -39.942,-3.271 -39.942,3.354 ccw(c-40.442,3.354) -40.442,3.854 -40.467,3.854 ccw(c-40.467,3.379) -40.942,3.379 -40.942,3.354 -41.3,3.354
GND on Int Layer 1 "Int1GND" (solid, remove dead copper, pour order 8): -41.3,8.8 -34.45,8.8 ccw(c-34.45,9.283) -34.109,8.941 -34.025,9.025 ccw(c-34.206,9.206) -33.95,9.206 -33.95,9.3 ccw(c-34.433,9.3) -34.091,9.641 -34.175,9.725 ccw(c-34.356,9.544) -34.356,9.8 -34.45,9.8 -34.45,10.5 -30.625,10.5 ccw(c-30.625,10.983) -30.284,10.641 -26.85,16.5 21.7,16.5 21.7,8.752 ccw(c22.127,8.752) 21.825,8.45 ccw(c22.187,8.812) 22.187,8.3 31.45,8.3 ccw(c31.45,8.8) 31.95,8.8 31.95,10.5 34.45,10.5 34.45,9.8 ccw(c34.45,9.3) 33.95,9.3 ccw(c34.45,9.3) 34.45,8.8 41.75,8.8 41.75,4.1 37.75,4.1 ccw(c37.75,3.6) 37.25,3.6 37.25,-3.6 ccw(c37.75,-3.6) 37.75,-4.1 41.75,-4.1 41.75,-8.8 34.475,-8.8 ccw(c34.475,-9.325) 33.95,-9.325 ccw(c34.425,-9.325) 34.425,-9.8 34.45,-9.8 34.45,-10.5 31.95,-10.5 31.95,-8.8 ccw(c31.45,-8.8) 31.45,-8.3 22.2,-8.3 ccw(c22.2,-8.8) 21.7,-8.8 21.7,-16.5 -26.85,-16.5 -30.2,-10.75 -30.326,-10.624 ccw(c-30.625,-10.922) -30.625,-10.5 -34.45,-10.5 -34.45,-9.8 ccw(c-34.45,-9.3) -33.95,-9.3 ccw(c-34.45,-9.3) -34.45,-8.8 -41.3,-8.8 -41.3,-3.3 -40.9,-3.3 ccw(c-40.4,-3.3) -40.4,-3.8 -40.375,-3.8 ccw(c-40.375,-3.325) -39.9,-3.325 -39.9,3.3 ccw(c-40.4,3.3) -40.4,3.8 -40.425,3.8 ccw(c-40.425,3.325) -40.9,3.325 -40.9,3.3 -41.3,3.3
GND on Int Layer 2 "Int2GND" (solid, remove dead copper, pour order 10): -41.3,8.8 -34.45,8.8 ccw(c-34.45,9.283) -34.109,8.941 -34.025,9.025 ccw(c-34.206,9.206) -33.95,9.206 -33.95,9.3 ccw(c-34.433,9.3) -34.091,9.641 -34.175,9.725 ccw(c-34.356,9.544) -34.356,9.8 -34.45,9.8 -34.45,10.5 -30.625,10.5 ccw(c-30.625,10.983) -30.284,10.641 -26.85,16.5 21.7,16.5 21.7,8.752 ccw(c22.127,8.752) 21.825,8.45 ccw(c22.187,8.812) 22.187,8.3 31.45,8.3 ccw(c31.45,8.8) 31.95,8.8 31.95,10.5 34.45,10.5 34.45,9.8 ccw(c34.45,9.3) 33.95,9.3 ccw(c34.45,9.3) 34.45,8.8 41.75,8.8 41.75,4.1 37.75,4.1 ccw(c37.75,3.6) 37.25,3.6 37.25,-3.6 ccw(c37.75,-3.6) 37.75,-4.1 41.75,-4.1 41.75,-8.8 34.475,-8.8 ccw(c34.475,-9.325) 33.95,-9.325 ccw(c34.425,-9.325) 34.425,-9.8 34.45,-9.8 34.45,-10.5 31.95,-10.5 31.95,-8.8 ccw(c31.45,-8.8) 31.45,-8.3 22.2,-8.3 ccw(c22.2,-8.8) 21.7,-8.8 21.7,-16.5 -26.85,-16.5 -30.2,-10.75 -30.326,-10.624 ccw(c-30.625,-10.922) -30.625,-10.5 -34.45,-10.5 -34.45,-9.8 ccw(c-34.45,-9.3) -33.95,-9.3 ccw(c-34.45,-9.3) -34.45,-8.8 -41.3,-8.8 -41.3,-3.3 -40.9,-3.3 ccw(c-40.4,-3.3) -40.4,-3.8 -40.375,-3.8 ccw(c-40.375,-3.325) -39.9,-3.325 -39.9,3.3 ccw(c-40.4,3.3) -40.4,3.8 -40.425,3.8 ccw(c-40.425,3.325) -40.9,3.325 -40.9,3.3 -41.3,3.3
+3.3V on Int Plane 1 (split plane): -17.229,12.192 -17.229,1.655 -20.495,1.655 -20.545,1.645 -20.587,1.617 -23.517,-1.313 -23.663,-1.459 -23.722,-1.518 -23.75,-1.56 -23.759,-1.61 -23.759,-2.357 -24.237,-2.835 -24.265,-2.877 -24.275,-2.927 -24.275,-4.667 -24.517,-4.909 -24.545,-4.951 -24.554,-5 -24.554,-10.375 -24.545,-10.425 -24.517,-10.467 -23.042,-11.942 -23,-11.97 -22.95,-11.979 -22.304,-11.979 -21.742,-12.542 -21.542,-12.742 -21.5,-12.77 -21.45,-12.779 -20.336,-12.779 -20.286,-12.77 -20.244,-12.742 -19.808,-12.306 -19.78,-12.264 -19.771,-12.214 -19.771,-11.229 -18.354,-11.229 -16.671,-12.913 -16.629,-12.941 -16.579,-12.95 -11.604,-12.95 -11.555,-12.941 -11.513,-12.913 -10.833,-12.233 -10.814,-12.204 9.432,-12.204 9.481,-12.195 9.504,-12.179 12.621,-12.179 12.621,-13.225 12.63,-13.275 12.658,-13.317 12.7,-13.345 12.75,-13.354 18.721,-13.354 19.021,-13.654 19.021,-15.99 -22.635,-15.99 -26.817,-11.808 -26.817,-8.546 -26.817,-1.701 -24.759,0.357 -24.731,0.399 -24.721,0.449 -24.721,2.097 -20.183,6.635 -20.155,6.677 -20.146,6.726 -20.146,12.246 -19.621,12.771 -17.808,12.771
GND on Int Plane 1 (split plane): 447 vertices, not listed, extent -40.79,-15.99 37.05,15.99
AVCC+3.3V on Int Plane 1 (split plane): -22.329,-3.104 -22.329,-3.858 -22.642,-4.17 -22.67,-4.212 -22.679,-4.262 -22.679,-7.446 -23.166,-7.933 -23.194,-7.975 -23.204,-8.024 -23.204,-8.976 -23.194,-9.025 -23.166,-9.067 -22.679,-9.554 -22.679,-9.787 -22.67,-9.837 -22.642,-9.879 -21.779,-10.741 -21.779,-12.137 -22.158,-11.758 -22.2,-11.73 -22.25,-11.721 -22.896,-11.721 -24.296,-10.321 -24.296,-5.054 -24.054,-4.813 -24.026,-4.771 -24.016,-4.721 -24.016,-2.98 -23.576,-2.54 -22.893,-2.54
DVCC+3.3V on Int Plane 1 (split plane): -9.25,2.617 -9.25,-4.146 -9.25,-9.221 -9.25,-11.946 -10.796,-11.946 -10.796,-10.9 -10.805,-10.85 -10.833,-10.808 -11.471,-10.171 -11.471,-1.825 -11.48,-1.775 -11.508,-1.733 -12.183,-1.058 -12.225,-1.03 -12.275,-1.021 -18.908,-1.021 -18.957,-1.03 -18.999,-1.058 -20.592,-2.651 -20.62,-2.693 -20.629,-2.742 -20.629,-4.221 -21.017,-4.608 -21.045,-4.65 -21.054,-4.7 -21.054,-6.05 -21.045,-6.1 -21.017,-6.142 -20.659,-6.499 -20.659,-8.641 -20.659,-9.658 -20.649,-9.708 -20.621,-9.75 -20.029,-10.341 -20.029,-11.1 -20.029,-12.161 -20.389,-12.521 -21.396,-12.521 -21.521,-12.396 -21.521,-10.687 -21.53,-10.637 -21.558,-10.595 -22.421,-9.733 -22.421,-9.5 -22.43,-9.45 -22.458,-9.408 -22.945,-8.922 -22.945,-8.078 -22.458,-7.592 -22.43,-7.55 -22.421,-7.5 -22.421,-4.315 -22.108,-4.003 -22.08,-3.961 -22.071,-3.912 -22.071,-3.05 -22.08,-3 -22.108,-2.958 -22.747,-2.319 -22.789,-2.291 -22.839,-2.281 -23.5,-2.281 -23.5,-1.663 -23.479,-1.642 -23.333,-1.496 -20.441,1.396 -14.125,1.396 -14.075,1.405 -14.033,1.434 -11.621,3.846 -10.479,3.846
DVCC+1.0V on Int Plane 1 (split plane): -11.729,-1.879 -11.729,-10.225 -11.72,-10.275 -11.692,-10.317 -11.054,-10.954 -11.054,-12.088 -11.658,-12.692 -16.525,-12.692 -18.208,-11.008 -18.25,-10.98 -18.3,-10.971 -19.771,-10.971 -19.771,-10.288 -19.78,-10.238 -19.808,-10.196 -20.4,-9.605 -20.4,-8.641 -20.4,-6.445 -20.41,-6.396 -20.438,-6.354 -20.796,-5.996 -20.796,-4.754 -20.408,-4.367 -20.38,-4.325 -20.371,-4.275 -20.371,-2.796 -18.854,-1.279 -12.329,-1.279
+1.0V on Int Plane 1 (split plane): 18.696,-8.625 18.696,-9.171 18.296,-9.571 12.75,-9.571 12.7,-9.58 12.658,-9.608 12.63,-9.65 12.621,-9.7 12.621,-11.921 9.561,-11.921 9.561,-8.353 10.634,-7.279 17.35,-7.279
GND on Int Plane 1 (split plane): -14.004,-8.496 -18.321,-8.496 -18.321,-3.904 -14.004,-3.904
GND on Int Plane 1 (split plane): 41.24,-8.29 38.5,-8.29 38.5,-4.61 41.24,-4.61
GND on Int Plane 1 (split plane): 41.24,4.61 38.5,4.61 38.5,8.29 41.24,8.29
GND on Int Plane 2 (split plane): 380 vertices, not listed, extent -40.79,-15.99 41.24,15.99

## Keep-outs
Keep-Out Layer:
  lines w0.1: -27.706,-15.004 -29.5,-11.925 -29.5,-11 ccw(c-30,-11) -30,-10.5 -34.45,-10.5 -34.45,-9.8 ccw(c-34.45,-9.3) -34.45,-8.8 -41.3,-8.8 -41.3,-3.3 -40.9,-3.3 ccw(c-40.4,-3.3) -39.9,-3.3 -39.9,3.3 ccw(c-40.4,3.3) -40.9,3.3 -41.3,3.3 -41.3,8.8 -34.45,8.8 ccw(c-34.45,9.3) -34.45,9.8 -34.45,10.5 -30,10.5 ccw(c-30,11) -29.5,11 -29.5,11.925 -27.706,15.004 ; -27.698,-15 ccw(c-25.1,-13.5) -25.1,-16.5 21.7,-16.5 21.7,-8.8 cw(c22.2,-8.8) 22.2,-8.3 31.45,-8.3 cw(c31.45,-8.8) 31.95,-8.8 31.95,-10.5 34.45,-10.5 34.45,-9.8 cw(c34.45,-9.3) 34.45,-8.8 41.75,-8.8 41.75,-4.1 37.75,-4.1 cw(c37.75,-3.6) 37.25,-3.6 37.25,3.6 cw(c37.75,3.6) 37.75,4.1 41.75,4.1 41.75,8.8 34.45,8.8 cw(c34.45,9.3) 34.45,9.8 34.45,10.5 31.95,10.5 31.95,8.8 cw(c31.45,8.8) 31.45,8.3 22.2,8.3 cw(c22.2,8.8) 21.7,8.8 21.7,16.5 -25.1,16.5 ccw(c-25.1,13.5) -27.698,15 ; 3.5,-5.5 ccw(c4,-5.5) 4,-6 15,-6 ccw(c15,-5.5) 15.5,-5.5 15.5,5.5 ccw(c15,5.5) 15,6 4,6 ccw(c4,5.5) 3.5,5.5 3.5,-5.5

## Other copper
Top Layer:
  pour cut-out: -38.59,-8.8 -36.875,-8.8 -36.875,-4.596 -38.59,-4.596
  pour cut-out: -35.7,-0.84 -35.7,0.875 -39.904,0.875 -39.904,-0.84
  pour cut-out: -36.91,8.8 -38.625,8.8 -38.625,4.596 -36.91,4.596
  pour cut-out: 38.59,8.8 36.875,8.8 36.875,4.596 38.59,4.596
  pour cut-out: 36.91,-8.8 38.625,-8.8 38.625,-4.596 36.91,-4.596
  pour cut-out: 9.975,3.3
Bottom Layer:
  pour cut-out: -1.575,13.009 -2.375,13.009 -2.375,9.859 -1.575,9.859
  pour cut-out: -7.975,-3.525 -7.975,-4.325 -4.825,-4.325 -4.825,-3.525
Int Plane 1 (plane layer: these items are gaps in the copper):
  pour cut-out: 37.05,-8.8 38.5,-8.8 38.5,-4.1 37.05,-4.1
  pour cut-out: 38.5,8.85 37.05,8.85 37.05,4.1 38.5,4.1
  pour cut-out: -39.925,0.725 -39.925,-0.725 -35.75,-0.725 -35.75,0.725
  pour cut-out: -38.45,-8.8 -37,-8.8 -37,-4.625 -38.45,-4.625
  pour cut-out: -29.75,6.275 -29.75,7.725 -33,7.725 -33,6.275
  pour cut-out: -29.75,-7.725 -29.75,-6.275 -33,-6.275 -33,-7.725
  pour cut-out: -37.025,8.8 -38.475,8.8 -38.475,4.625 -37.025,4.625
  lines w0.254: -23.571,-1.551 -23.425,-1.405 ; -22.308,-16.5 -26.946,-11.861 -26.946,-8.546 -26.946,-1.647 -24.851,0.449 -24.851,2.151 -20.275,6.726 -20.275,12.3 -19.675,12.9 -17.754,12.9 -17.1,12.246 -17.1,1.546 ; -21.65,-12.45 -21.65,-10.687 -22.55,-9.787 -22.55,-9.5 -23.074,-8.976 -23.074,-8.024 -22.55,-7.5 -22.55,-4.262 -22.2,-3.912 -22.2,-3.05 -22.839,-2.411 -23.235,-2.411 -23.63,-2.411 ; -10.85,-12.075 -7.675,-12.075 9.432,-12.075 9.432,-8.299 10.581,-7.15 16.075,-7.15 17.404,-7.15 18.825,-8.571 18.825,-9.225 18.35,-9.7 12.75,-9.7 12.75,-13.225 18.775,-13.225 19.15,-13.6 19.15,-16.5 ; -9.121,-12.054 -9.121,-9.221 -9.121,-4.146 -9.121,2.671 -10.425,3.975 -11.675,3.975 -14.125,1.525 -20.495,1.525 -23.63,-1.61 -23.63,-2.411 ; 9.432,-12.05 12.75,-12.05 ; -23.63,-2.411 -24.146,-2.927 -24.146,-4.721 -24.425,-5 -24.425,-10.375 -22.95,-11.85 -22.25,-11.85 -21.45,-12.65 -20.336,-12.65 -19.9,-12.214 -19.9,-11.1 ; -19.9,-11.1 -19.9,-10.288 -20.53,-9.658 -20.53,-8.641 -20.53,-6.445 -20.925,-6.05 -20.925,-4.7 -20.5,-4.275 -20.5,-2.742 -18.908,-1.15 -15.075,-1.15 -12.275,-1.15 ; -19.9,-11.1 -19.45,-11.1 -18.3,-11.1 -16.579,-12.821 -11.604,-12.821 -10.925,-12.142 -10.925,-10.9 -11.6,-10.225 -11.6,-1.825 -12.275,-1.15 ; -12.275,-1.15 -12.275,-1.15 ; -18.45,-8.625 -18.45,-3.775 -13.875,-3.775 -13.875,-8.625 -18.45,-8.625
Int Plane 2 (plane layer: these items are gaps in the copper):
  pour cut-out: 38.475,7.875 37.025,7.875 37.025,4.411 38.475,4.411
  pour cut-out: 37.025,-7.875 38.475,-7.875 38.475,-4.411 37.025,-4.411
  pour cut-out: -38.475,-7.875 -37.025,-7.875 -37.025,-4.625 -38.475,-4.625
  pour cut-out: -38.975,0.725 -38.975,-0.725 -35.725,-0.725 -35.725,0.725
  pour cut-out: -37.025,7.875 -38.475,7.875 -38.475,4.625 -37.025,4.625

## Silkscreen, mask and mechanical layers (free items; w line width, h text height)
Top Overlay:
  circle w0.254: c-20.725,9.425 r0.254
  circle w0.254: c-20.725,8.625 r0.254
  circle w0.254: c-22.675,5.65 r0.254
  circle w0.254: c-21.9,5.65 r0.254
  circle w0.254: c-24.504,-11.925 r0.254
  circle w0.254: c-21.525,-11.475 r0.254
  circle w0.254: c-20.45,-12.025 r0.254
  circle w0.254: c-20.461,-7.8 r0.254
  circle w0.254: c-20.525,-8.55 r0.254
  circle w0.254: c-22.325,-10.75 r0.254
  circle w0.254: c-22.4,-8.525 r0.254
  circle w0.254: c-24.625,-7.075 r0.254
  circle w0.254: c-24.625,-6.325 r0.254
  circle w0.254: c-19.9,-3 r0.254
  circle w0.254: c-20.5,-3.525 r0.254
  circle w0.254: c-20.325,-5.35 r0.254
  circle w0.254: c-22.25,-5.7 r0.254
  circle w0.254: c-22.25,-4.95 r0.254
  circle w0.254: c-22.625,-3.45 r0.254
  circle w0.254: c-20.825,0.15 r0.254
  circle w0.254: c-19.9,-0.337 r0.254
  text "1PPS_OUT" at -28.975,3.85 h0.75 r90
  text "RXB" at -34.525,3.3 h1
  text "TXA" at 33.775,2.967 h1
  text "GP" at -34.475,-3.425 h1 r90
  text "TXB" at 33.7,-4.025 h1
  text "RXA" at -34.15,-4.226 h1
  text "CLK_OUT" at -28.875,-9.785 h0.75 r90
  text "USB3 - MiniPCIe Gen.2" at -9.55,-9.875 h1.4
  text "XTRX DevBoard/Adapter" at -9.475,-12.3 h1.4
  text "v.2.1 2018.07.20" at 1.4,-14.55 h1.2
Bottom Overlay:
  text "SIM" at -11.25,4.725 h1.2
Bottom Solder:
  region: -31.5,5.5 -33.5,5.5 -33.5,0 -31.5,0
  region: -31.5,10.5 -33.5,10.5 -33.5,8 -31.5,8
  rectangle: -33.5,-5.5 -31.5,0
  rectangle: -33.5,-10.5 -31.5,-8
  rectangle: 31.5,-5.5 33.5,0
  rectangle: 31.5,-10.5 33.5,-8
  region: 33.5,10.5 31.5,10.5 31.5,8 33.5,8
  region: -27.8,14.9 -28.8,13.168 -27.218,12.255 -26.218,13.987
  region: -26.218,-13.987 -27.218,-12.255 -28.8,-13.168 -27.8,-14.9
  region: -11.7,16.5 -13.3,16.5 -13.3,8.5 -11.7,8.5
  region: -28.7,-1 -28.7,1 -32.5,1 -32.5,-1
  region: -7.7,-14 -9,-14 -9,-16.5 -7.7,-16.5
  region: 9.7,-14 8.4,-14 8.4,-16.5 9.7,-16.5
  region: 19.5,13 19.5,11 21.7,11 21.7,13
  rectangle: 24.5,6 26.5,8.3
  rectangle: 24.5,-8.3 26.5,-6
  region: 21.7,-13 21.7,-11 20,-11 20,-13
  region: 6.1,16.5 4.1,16.5 4.1,8.5 6.1,8.5
  region: 15,16.5 13,16.5 13,8.5 15,8.5
  region: 32.5,1 32.5,-1 37.25,-1 37.25,1
  region: 33.5,5.5 31.5,5.5 31.5,0 33.5,0
Mechanical 1:
  lines w0.11: -37.9,0 -31.325,-21 ; -37.75,-7 -31.325,-21 ; -37.75,6.7 -31.325,-21 ; 28.775,-21 -31.325,-21 ; 37.75,-6.7 28.775,-20.95 37.75,6.7
  text "Align the connectors by stops," at -27.525,-18.45 h1.3
  text "then central pins must be soldered first." at -27.525,-20.65 h1.3

## Text inside footprints (layer, text, board x,y; h text height)
LOGO1: Top Overlay "f a i    w a v e s" at 6.5,9.675 h2.9
X1: Mechanical 2 "PCB Edge" at 8.6,-16.15 h0.25; Mechanical 2 "1" at 4.2,-12.225 h0.5; Mechanical 2 "5" at 1.8,-12.125 h0.5; Mechanical 2 "10" at -4.775,-12.125 h0.5; Mechanical 2 "6" at -2.325,-12.1 h0.5; Mechanical 2 "C" at 0.1,-16.475 h0.25; Mechanical 2 "L" at 0,-16.575 h0.25